# Altium PCB RevA2.PcbDoc (part 3 of 6) (continued)
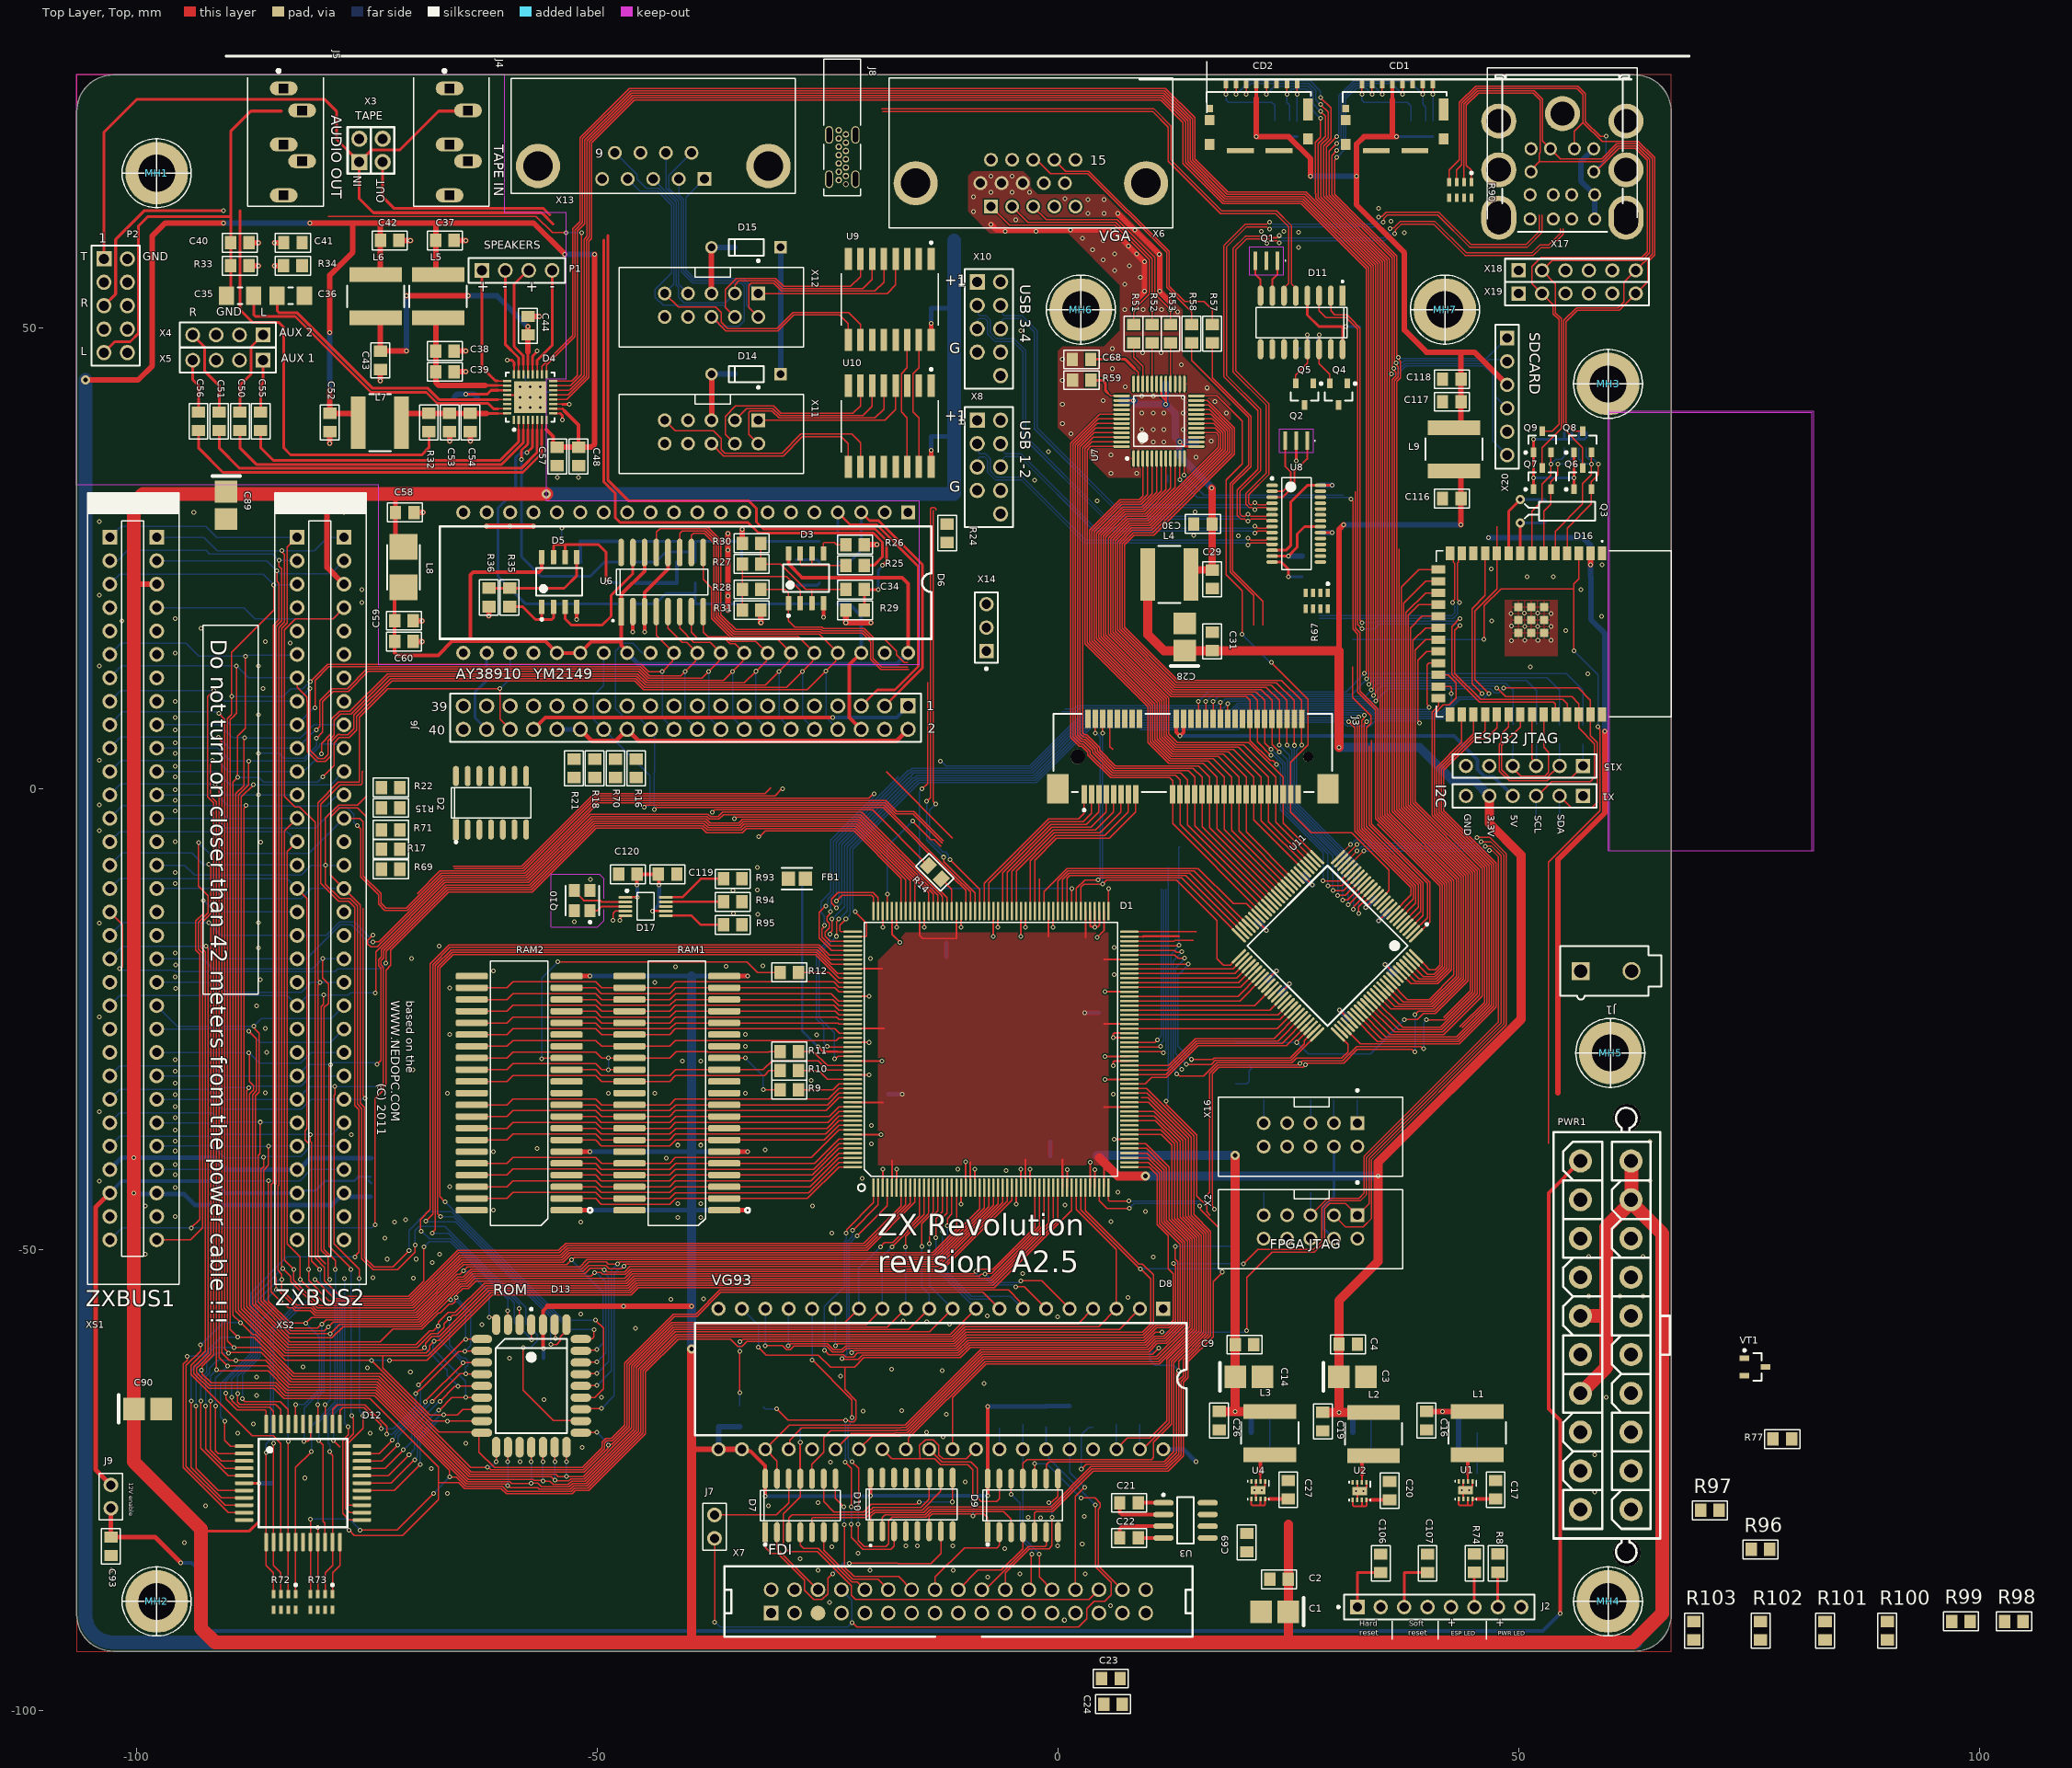
[diagram p0: Top Layer, Top view]
## Nets (pads, with @x,y where several pads share a name; then routed paths per layer and width w, separated by ;. In a path a pad name is that pad's centre, name@x,y a point inside that pad or via, vN(x,y) a via of type N, cw(c..) or ccw(c..) an arc to the next point about the centre after c; other vN are vias at no path point) (continued)
  Bottom Layer, Bottom w0.127: v1(-23.428,-61.82) -22.917,-61.309 -22.917,-49.185 -22.311,-48.58 -22.311,-47.921 v1(-22.273,-47.883) ; v1(12.73,-49.634) 12.747,-49.617 19.208,-49.617 ; 19.29,-30.213 20.756,-30.213 21.01,-29.959 25.989,-29.959 26.199,-29.75 v1(26.25,-29.75) ; v1(39.67,-28.172) 39.712,-28.13 39.712,-25.335 40.007,-25.04 v1(40.007,-25.022)
CSROM_1: D1.150 D2.5 R18.2 | length 21.4
  Top Layer, Top w0.127: v1(-32.456,-5.175) -32.368,-5.175 -31.749,-4.556 -22.122,-4.556 -17,-9.679 D1.150@-17,-13.25
  Bottom Layer, Bottom w0.127: v1(-32.456,-5.175) v1@-32.438,-5.157
CTS_TTL: D11.9
D0: D1.18 D6.37 D8.7 D12.9 D13.13 J6.8 U6.11 XS1.B6 XS2.B6 | length 359.1
  Top Layer, Top w0.127: v1(-93.025,-60.304) -93.025,-60.958 -94.583,-62.516 -94.583,-73.493 -90.376,-77.7 D12.9@-88.3,-77.7 ; v1(-88.16,14.41) -88.16,6.59 -89,5.75 v1(-89,1.25) -89.5,0.75 -89.5,-57.083 v1(-88.68,-57.905) v1(-88.68,-57.905) -87.385,-59.2 -87.067,-59.2 -82.867,-63.4 -73.514,-63.4 -67.134,-69.78 -62.88,-69.78 -62.8,-69.86 -62.8,-71.95 -61.143,-73.607 -51.613,-73.607 -49.464,-71.459 -49.464,-70.866 -49.044,-70.446 -48.451,-70.446 -47.024,-69.018 -47.024,-62.274 -41.713,-56.963 -39.284,-56.963 -36.683,-54.362 -5.324,-54.362 -4.067,-55.619 -4.067,-56.122 D8.7@-3.8,-56.39 ; v1(-79.75,1.325) -78.557,2.517 -78.557,5.006 -77.968,5.595 -76.89,5.595 -76.085,6.401 -76.085,7.892 -72.25,11.727 -45.917,11.727 -44.937,10.748 -27.21,10.748 v1(-25.167,12.79) -24.082,13.876 -24.082,14.548 D6.37@-23.87,14.76 -25.904,16.794 -35.158,16.794 -37.058,18.694 -37.058,26.785 -38.268,27.995 -40.751,27.995 -41.03,27.716 U6.11@-41.03,25.645 ; v1(-11.991,-47.374) -11.991,-46.627 -11.5,-46.135 D1.18@-11.5,-43.25
  Bottom Layer, Bottom w0.127: XS1.B6@-103.235,14.215 XS1.B6@-102.86,14.59 -101.624,15.826 -94.613,15.826 -93.196,14.41 -88.364,14.41 v1@-88.16,14.614 ; v1(-93.025,-60.304) -92.946,-60.304 -90.547,-57.905 v1(-88.68,-57.905) ; v1(-89,1.25) -86.65,1.25 -86.149,0.75 -80.325,0.75 v1(-79.75,1.325) ; v1(-88.16,14.41) v1@-88.16,14.614 ; XS2.B6@-82.513,14.614 -82.631,14.496 -88.042,14.496 v1@-88.16,14.614 ; v1(-25.167,12.79) -25.165,12.788 -25.165,7.755 J6.8@-23.87,6.46 ; v1(-11.991,-47.374) -11.991,-52.43 -9.368,-55.053 -5.147,-55.053 -3.9,-56.3 D8.7@-3.8,-56.3
D1: D1.17 D6.36 D8.8 D12.10 D13.14 J6.10 U6.10 XS1.B7 XS2.B7 | length 347.7
  Top Layer, Top w0.127: v1(-94.468,-61.535) -94.468,-61.977 -94.883,-62.391 -94.883,-73.617 -90,-78.5 D12.10@-88.3,-78.5 ; v1(-89.119,13.342) -89.119,8.212 -89.355,7.975 -89.355,7.948 -89.8,7.504 -89.8,-58.651 -88.952,-59.5 -87.191,-59.5 -82.991,-63.7 -73.638,-63.7 -63.712,-73.626 -61.988,-73.626 -61.988,-73.676 -61.694,-73.676 -61.51,-73.861 -51.508,-73.861 -49.21,-71.564 -49.21,-70.971 -48.939,-70.7 -48.346,-70.7 -46.77,-69.123 -46.77,-62.379 -41.608,-57.217 -39.179,-57.217 -36.578,-54.616 -8.113,-54.616 -6.504,-56.226 D8.8@-6.504,-56.363 ; XS2.B7@-82.54,12.05 -82.54,11.031 -81.465,9.956 -81.465,9.506 -81.447,9.488 -81.447,4.051 -80.362,2.966 -79.489,2.966 -78.857,3.597 -78.857,5.13 -78.079,5.908 -77.918,5.908 -77.905,5.895 -77.015,5.895 -76.385,6.525 -76.385,8.017 -72.42,11.981 -45.811,11.981 -44.832,11.002 -29.448,11.002 v1(-27.703,12.746) -26.589,13.861 -26.589,14.581 D6.36@-26.41,14.76 -28.19,16.54 -35.263,16.54 -37.312,18.589 -37.312,26.68 -38.373,27.741 -39.534,27.741 -39.76,27.515 U6.10@-39.76,25.645 ; v1@-61.963,-73.651 v1(-61.902,-73.59) ; v1(-60.94,-72.99) -60.94,-71.842 D13.14@-60.91,-71.812 ; v1(-12.529,-47.98) -12.529,-46.529 -12,-46 D1.17@-12,-43.25
  Bottom Layer, Bottom w0.127: XS1.B7@-103.235,11.675 XS1.B7@-102.86,12.05 -101.568,13.342 v1(-89.119,13.342) -87.827,12.05 -82.65,12.05 XS2.B7@-82.6,12 ; v1(-94.468,-61.535) -94.44,-61.507 -92.845,-61.507 -90.81,-59.472 v1(-88.979,-59.472) ; v1(-61.902,-73.59) -61.816,-73.504 -61.454,-73.504 v1(-60.94,-72.99) ; v1(-27.703,12.746) -27.698,12.741 -27.698,7.748 J6.10@-26.41,6.46 ; v1(-12.529,-47.98) -12.529,-52.317 -9.493,-55.353 -7.347,-55.353 D8.8@-6.4,-56.3
D2: D1.16 D6.35 D8.9 D12.7 D13.15 J6.12 U6.9 XS1.B8 XS2.B8 | length 327.9
  Top Layer, Top w0.127: v1(-93.505,-66.934) -93.505,-73.722 -91.127,-76.1 D12.7@-88.3,-76.1 ; v1@-92.931,-63.052 -92.846,-62.967 -92.846,-62.649 -91.6,-61.403 -91.6,-1.511 -92.25,-0.861 -92.25,10.005 v1(-91.564,10.691) ; v1(-92.913,-63.07) -92.857,-63.126 -92.857,-63.457 -91.876,-64.438 -84.798,-64.438 -83.737,-65.5 -74.058,-65.5 -64.173,-75.385 -59.946,-75.385 v1@-59.736,-75.595 ; v1(-81.134,10.873) -81.147,10.861 -81.147,4.175 -80.238,3.266 -79.613,3.266 -79.157,3.722 -79.157,5.254 -78.557,5.854 -78.557,7.406 -77.828,8.135 -76.69,8.135 -72.59,12.235 -45.706,12.235 -44.726,11.256 -31.731,11.256 v1(-30.239,12.748) -29.126,13.861 -29.126,14.584 D6.35@-28.95,14.76 -30.476,16.286 -35.368,16.286 -37.566,18.484 -37.566,21.816 -38.49,22.74 U6.9@-38.49,25.645 ; v1(-59.685,-75.595) -59.634,-75.595 -59.424,-75.804 -56.446,-75.804 -56.288,-75.962 -52.911,-75.962 -52.544,-75.595 -51.086,-75.595 -45.246,-69.755 -45.246,-63.01 -41.395,-59.159 -11.649,-59.159 -9.953,-57.463 D8.9@-8.89,-56.4 ; v1(-59.679,-72.99) -59.674,-72.986 -59.674,-71.786 D13.15@-59.67,-71.782 ; v1(-13.236,-48.701) -13.236,-46.614 -12.5,-45.878 D1.16@-12.5,-43.25
  Bottom Layer, Bottom w0.127: XS1.B8@-103.235,9.135 XS1.B8@-102.86,9.51 -101.679,10.691 v1(-91.564,10.691) -90.383,9.51 -82.61,9.51 XS2.B8@-82.6,9.5 ; v1(-93.505,-66.934) -93.505,-63.663 v1(-92.913,-63.07) ; XS2.B8@-82.54,9.51 -81.177,10.873 v1(-81.134,10.873) ; v1(-59.685,-75.595) -59.679,-75.589 v1(-59.679,-72.99) ; v1(-30.239,12.748) -30.25,12.737 -30.25,7.76 J6.12@-28.95,6.46 ; v1(-13.236,-48.701) -13.236,-52.034 -8.9,-56.37 D8.9@-8.9,-56.4
D3: D1.15 D6.34 D8.10 D12.3 D13.17 J6.14 U6.8 XS1.B11 XS2.B11 | length 292.8
  Top Layer, Top w0.127: v1(-91.93,-66.399) -91.93,-71.721 -90.752,-72.9 D12.3@-88.3,-72.9 ; v1(-91.725,3.103) -91.725,3.015 -91.95,2.79 -91.95,-0.737 -91.3,-1.387 v1(-91.3,-63) -91.178,-63 -91.036,-63.142 -85.67,-63.142 -83.612,-65.2 -73.999,-65.2 -64.068,-75.131 -59.493,-75.131 -59.284,-75.341 v1(-57.141,-75.341) ; v1(-79.887,3.791) -79.887,4.948 -78.857,5.979 -78.857,7.53 -77.952,8.435 -76.815,8.435 -72.761,12.489 -45.601,12.489 -44.621,11.51 -34.005,11.51 v1(-32.75,12.765) -31.654,13.861 -31.654,14.596 D6.34@-31.49,14.76 -32.762,16.032 -35.473,16.032 -35.941,16.5 -37.977,16.5 -38.49,17.013 U6.8@-38.49,19.245 ; v1@-57.141,-75.32 -56.429,-75.32 -56.042,-75.708 -53.016,-75.708 -52.649,-75.341 -51.191,-75.341 -45.5,-69.649 -45.5,-62.905 -41.5,-58.905 -13.935,-58.905 D8.10@-11.42,-56.39 ; v1(-57.13,-72.99) D13.17@-57.13,-71.782 ; v1(-13.929,-49.34) -13.929,-46.693 -13,-45.764 D1.15@-13,-43.25
  Bottom Layer, Bottom w0.127: XS1.B11@-103.235,1.515 XS1.B11@-102.86,1.89 -101.648,3.103 v1(-91.725,3.103) -91.217,3.103 -90.005,1.89 -82.61,1.89 XS2.B11@-82.6,1.9 ; v1(-91.93,-66.399) -91.93,-63.679 -91.3,-63.048 v1(-91.3,-63) ; XS2.B11@-82.54,1.89 -82.354,2.076 -81.603,2.076 v1(-79.887,3.791) ; v1(-57.141,-75.341) -57.13,-75.329 v1(-57.13,-72.99) ; v1(-32.75,12.765) -32.769,12.746 -32.769,7.739 J6.14@-31.49,6.46 ; v1(-13.929,-49.34) -13.929,-53.881 D8.10@-11.42,-56.39
D4: D1.14 D6.33 D8.11 D12.2 D13.18 J6.16 U6.7 XS1.B12 XS2.B12 | length 290.6
  Top Layer, Top w0.127: v1(-91.425,0.54) -91.425,0.442 -91,0.017 -91,-61.7 v1(-90.1,-62.6) -85.788,-62.6 -83.488,-64.9 -73.94,-64.9 -63.963,-74.877 -56.949,-74.877 -56.813,-75.014 -56.13,-75.014 -56.129,-75.015 -55.941,-75.015 v1(-55.869,-75.087) -55.124,-75.087 -54.757,-75.454 -53.121,-75.454 -52.754,-75.087 -51.296,-75.087 -45.754,-69.544 -45.754,-62.8 -41.605,-58.651 -16.221,-58.651 D8.11@-13.96,-56.39 ; v1(-91.4,-66.929) -91.4,-71.827 -91.127,-72.1 D12.2@-88.3,-72.1 ; v1(-86.75,-0.65) v1(-86.75,3.865) ; v1(-80.45,5.5) -79.758,6.192 -79.758,9.466 -78.638,10.585 -76.98,10.585 -74.822,12.743 -45.496,12.743 -44.516,11.764 -36.283,11.764 v1(-35.29,12.756) -34.185,13.861 -34.185,14.605 D6.33@-34.03,14.76 -35.048,15.778 -35.579,15.778 -36.001,16.2 -38.958,16.2 -39.76,17.002 U6.7@-39.76,19.245 ; v1(-55.86,-72.981) D13.18@-55.86,-71.782 ; v1(-14.75,-49.639) -14.75,-47.154 -13.5,-45.904 D1.14@-13.5,-43.25
  Bottom Layer, Bottom w0.127: XS1.B12@-103.235,-1.025 XS1.B12@-102.86,-0.65 -101.67,0.54 v1(-91.425,0.54) -90.235,-0.65 v1(-86.75,-0.65) -82.65,-0.65 XS2.B12@-82.6,-0.7 ; v1(-91.4,-66.929) -91.4,-63.913 -90.1,-62.613 v1(-90.1,-62.6) ; v1(-86.75,3.865) -84.511,3.865 -84.002,3.355 -81.79,3.355 -80.45,4.695 v1(-80.45,5.5) ; v1(-55.869,-75.087) -55.857,-75.074 -55.857,-72.984 v1(-55.86,-72.981) ; v1(-35.29,12.756) -35.293,12.753 -35.293,7.723 J6.16@-34.03,6.46 ; v1(-14.75,-49.639) -14.75,-54 -13.96,-54.79 D8.11@-13.96,-56.39
D5: D1.13 D6.32 D8.12 D12.4 D13.19 J6.18 U6.6 XS1.B10 XS2.B10 | length 282
  Top Layer, Top w0.127: v1(-92.455,-66.934) -92.455,-71.621 -90.376,-73.7 D12.4@-88.3,-73.7 ; v1(-91.086,5.608) -91.086,5.531 -90.7,5.145 -90.7,-61.195 -89.896,-62 v1(-89.183,-62) -85.964,-62 -83.364,-64.6 -73.881,-64.6 -63.857,-74.623 -54.969,-74.623 v1@-54.602,-74.99 ; v1(-80.45,6.405) -80.071,6.783 -80.071,9.577 -78.763,10.885 -77.105,10.885 -74.993,12.997 -45.39,12.997 -44.411,12.018 -38.61,12.018 v1(-37.895,12.733) -36.767,13.861 -36.767,14.563 D6.32@-36.57,14.76 -36.57,14.774 -37.696,15.9 -39.494,15.9 -41.03,17.436 U6.6@-41.03,19.245 ; D13.19@-54.592,-71.774 -54.577,-71.789 -54.577,-72.978 v1(-54.565,-72.99) ; v1(-54.565,-74.99) -54.513,-75.042 -53.069,-75.042 -52.859,-74.833 -51.402,-74.833 -46.008,-69.439 -46.008,-62.695 -41.71,-58.397 -18.507,-58.397 D8.12@-16.5,-56.39 ; v1(-16.528,-49.678) -16.528,-48.569 -14,-46.04 D1.13@-14,-43.25
  Bottom Layer, Bottom w0.127: XS1.B10@-103.235,4.055 XS1.B10@-102.86,4.43 -101.682,5.608 v1(-91.086,5.608) -89.908,4.43 XS2.B10@-82.54,4.43 -82.262,4.708 -82.204,4.708 -80.508,6.405 v1(-80.45,6.405) ; v1(-92.455,-66.934) -92.455,-63.779 -92.05,-63.374 -92.05,-62.829 -91.22,-62 v1(-89.183,-62) ; v1(-54.565,-74.99) v1(-54.565,-72.99) ; v1(-37.895,12.733) -37.884,12.722 -37.884,7.774 J6.18@-36.57,6.46 ; v1(-16.528,-49.678) -16.514,-49.692 -16.514,-56.085 D8.12@-16.5,-56.1
D6: D1.12 D6.31 D8.13 D12.5 D13.20 J6.20 U6.5 XS1.B9 XS2.B9 | length 278.8
  Top Layer, Top w0.127: v1(-92.98,-66.399) -92.98,-71.52 -90,-74.5 D12.5@-88.3,-74.5 ; v1(-91.054,8.203) -90.4,7.549 -90.4,-60.753 v1(-89.972,-61.181) -89.916,-61.125 -86.414,-61.125 -83.239,-64.3 -73.822,-64.3 -63.752,-74.369 -54.443,-74.369 -54.234,-74.579 -53.48,-74.579 -53.426,-74.525 v1@-53.426,-74.46 ; v1(-80.622,8.798) -80.602,8.818 -80.602,11.789 -79.139,13.251 -45.285,13.251 -44.305,12.272 -40.922,12.272 v1(-40.438,12.756) -39.32,13.874 -39.32,14.55 D6.31@-39.11,14.76 -40.25,15.9 -40.764,15.9 -42.3,17.436 U6.5@-42.3,19.245 ; v1(-53.322,-72.99) -53.321,-72.989 -53.321,-71.845 D13.20@-53.322,-71.844 ; D8.13@-19.04,-56.39 -20.793,-58.143 -41.816,-58.143 -46.262,-62.589 -46.262,-69.334 -51.507,-74.579 v1(-53.307,-74.579) ; v1(-18,-49.681) -14.5,-46.181 D1.12@-14.5,-43.25 ; v1@-53.426,-74.46 v1(-53.307,-74.579) ; v1@-53.426,-74.46 v1(-53.307,-74.579)
  Bottom Layer, Bottom w0.127: XS1.B9@-103.235,6.595 XS1.B9@-102.86,6.97 -101.468,8.363 -91.335,8.363 -91.176,8.203 v1(-91.054,8.203) -89.821,6.97 -82.63,6.97 XS2.B9@-82.6,7 ; v1(-92.98,-66.399) -92.98,-63.88 -92.35,-63.25 -92.35,-62.25 -91.281,-61.181 v1(-89.972,-61.181) ; XS2.B9@-82.54,6.97 -80.712,8.798 v1(-80.622,8.798) ; v1(-53.322,-72.99) -53.322,-74.564 v1(-53.307,-74.579) ; v1(-40.438,12.756) -40.439,12.755 -40.439,7.789 J6.20@-39.11,6.46 ; D6.31@-39.11,14.76 D6.31@-39.007,14.76 ; D8.13@-19.04,-56.39 -19.04,-50.721 v1(-18,-49.681)
D7: D1.11 D6.30 D8.14 D12.8 D13.21 J6.22 U6.4 XS1.B3 XS2.B3 | length 297.9
  Top Layer, Top w0.127: v1(-94.03,-66.399) -94.03,-73.621 -90.752,-76.9 D12.8@-88.3,-76.9 ; v1(-85.09,22.142) -85.09,19.387 -89.644,14.833 -89.644,10.149 -89.587,10.092 v1(-89.644,10.035) -89.655,10.024 -89.655,8.073 -90.1,7.628 -90.1,-59.9 v1(-89.4,-60.6) -86.515,-60.6 -83.115,-64 -73.762,-64 -63.647,-74.115 -51.402,-74.115 -48.783,-71.496 -48.783,-71.2 -48.71,-71.127 -48.414,-71.127 -46.516,-69.228 -46.516,-62.484 -41.921,-57.889 -23.079,-57.889 D8.14@-21.58,-56.39 ; v1(-81.127,11.623) -79.245,13.505 -45.18,13.505 -44.397,12.722 -42.953,12.722 v1(-42.925,12.75) ; D13.21@-51.4,-69.795 -51.37,-69.825 -50.015,-69.825 v1(-50,-69.809) ; U6.4@-43.57,19.245 -43.57,16.68 D6.30@-41.65,14.76 -41.786,14.624 -41.786,13.861 v1@-42.925,12.722 ; v1(-19.25,-49.681) -18.787,-49.218 -17.896,-49.218 -15,-46.322 D1.11@-15,-43.25
  Bottom Layer, Bottom w0.127: XS1.B3@-103.037,22.033 -101.785,23.285 -86.233,23.285 v1(-85.09,22.142) -85.084,22.137 -84.433,22.137 -84.427,22.142 -82.608,22.142 XS2.B3@-82.54,22.21 ; v1(-94.03,-66.399) -94.03,-63.117 -91.513,-60.6 v1(-89.4,-60.6) ; v1(-89.644,10.035) -84.055,10.035 -83.24,10.85 -81.9,10.85 v1(-81.127,11.623) ; v1(-50,-69.809) -50,-69.822 -48.747,-71.076 v1(-48.747,-71.163) ; v1(-42.925,12.75) -42.932,12.743 -42.932,7.742 J6.22@-41.65,6.46 ; D6.30@-41.65,14.76 D6.30@-41.29,14.76 ; D8.14@-21.6,-56.3 -21.58,-56.28 -21.58,-52.011 v1(-19.25,-49.681)
D\I\R\_6: D9.4 X7.18 | length 10.7
  Top Layer, Top w0.127: X7.18@-10.785,-86.87 -8.665,-84.75 -6.127,-84.75 -3.8,-82.423 D9.4@-3.8,-80.52
D\O\S\_1: D1.160 D13.3 XS1.A4 XS2.A4 | length 207.7
  Top Layer, Top w0.127: XS2.A4@-77.5,19.6 -77.53,19.6 -78.655,18.475 -82.716,18.475 -83.915,17.276 -83.915,-0.795 -82.751,-1.959 -82.25,-1.959 -80.6,-3.609 -80.6,-50.857 -79.575,-51.882 -79.575,-53.367 -77.899,-55.043 -70.457,-55.043 -68.8,-53.386 v1(-68.8,-49.7) ; -69.509,-11.361 -67.035,-8.888 -66.218,-8.888 -65.059,-8.888 -57.956,-8.888 -50.068,-1 -20.505,-1 -20.03,-0.525 v1(-19.942,-0.525) ; v1(-59.693,-56.599) -59.681,-56.611 -59.681,-57.8 D13.3@-59.64,-57.842 ; v1(-25.325,-14.805) -25.411,-14.891 -25.411,-15.038 -25.571,-15.197 -25.571,-16.059 -24.829,-16.8 -24.629,-17 D1.160@-22.25,-17
  Bottom Layer, Bottom w0.127: XS1.A4@-97.78,19.67 -88.321,19.67 -87.118,18.467 -78.663,18.467 XS2.A4@-77.46,19.67 ; v1(-68.8,-49.7) -68.225,-49.125 -65.923,-49.125 -59.693,-55.354 v1(-59.693,-56.599) ; v1(-25.325,-14.805) -25.325,-13.781 -25.711,-13.395 -25.711,-12.247 -24.651,-11.187 -24.651,-5.552 -20.004,-0.905 -20.004,-0.587 v1(-19.942,-0.525)
D\S\0\_6: D7.4 X7.10 | length 10.4
  Top Layer, Top w0.127: D7.4@-27.94,-80.63 -27.94,-82.025 -27.57,-82.395 -26.015,-82.395 -22.36,-86.05 -21.765,-86.05 X7.10@-20.945,-86.87
D\S\1\_6: D7.6 X7.12 | length 10.8
  Top Layer, Top w0.127: D7.6@-25.39,-80.52 -25.4,-80.53 -25.4,-82.586 -22.236,-85.75 -19.525,-85.75 X7.12@-18.405,-86.87
D\S\2\_6: D7.8 X7.14 | length 18.3
  Top Layer, Top w0.127: D7.8@-24.13,-74.83 -24.13,-76.962 v1(-23.22,-77.872) ; v1(-23.159,-79.815) -23.134,-79.841 -23.134,-84.428 -22.111,-85.45 -17.285,-85.45 X7.14@-15.865,-86.87
  Bottom Layer, Bottom w0.127: v1(-23.22,-77.872) -23.19,-77.902 -23.19,-79.785 v1(-23.159,-79.815)
D\S\3\_6: D7.2 X7.6 | length 8.1
  Top Layer, Top w0.127: D7.2@-30.48,-80.63 -30.48,-82.415 X7.6@-26.025,-86.87
DAC_B0: J3.38 U7.16 U11.21 | length 75.2
  Top Layer, Top w0.127: U7.16@15.025,38.645 17.193,38.645 17.405,38.432 17.405,37.065 9.668,29.328 7.566,29.328 5.469,27.231 5.469,16.812 12.268,10.012 20.438,10.012 20.85,9.6 J3.38@20.85,7.6 20.874,7.576 20.874,5.236 23.033,3.076 23.355,3.076 23.737,2.694 v1(23.737,2.668) ; v1(28.768,-9.979) 30.642,-9.979 U11.21@31.809,-8.813
  Bottom Layer, Bottom w0.127: v1(23.737,2.668) 23.763,2.668 24.126,2.305 24.126,-2.236 28.768,-6.878 v1(28.768,-9.979)
DAC_B1: J3.40 U7.17 U11.20 | length 76.5
  Top Layer, Top w0.127: U7.17@15.025,39.145 17.052,39.145 17.659,38.537 17.659,36.96 9.773,29.074 7.672,29.074 5.723,27.125 5.723,16.917 12.374,10.266 20.984,10.266 21.65,9.6 J3.40@21.65,7.6 21.65,5.115 v1(23.122,3.643) ; v1(29.304,-10.504) 30.824,-10.504 U11.20@32.162,-9.166
  Bottom Layer, Bottom w0.127: v1(23.122,3.643) 23.158,3.606 23.455,3.606 24.38,2.681 24.38,-2.13 29.304,-7.054 v1(29.304,-10.504)
DAC_B2: J3.42 U7.18 U11.19 | length 77.6
  Top Layer, Top w0.127: U7.18@15.025,39.645 16.911,39.645 17.913,38.643 17.913,36.855 9.878,28.82 7.777,28.82 5.977,27.02 5.977,17.022 12.479,10.52 21.53,10.52 22.45,9.6 J3.42@22.45,7.6 22.45,4.97 v1(23.128,4.293) ; v1(29.839,-11.029) 31.006,-11.029 U11.19@32.516,-9.52
  Bottom Layer, Bottom w0.127: v1(23.128,4.293) 23.852,3.568 24.634,2.786 24.634,-2.025 29.839,-7.231 v1(29.839,-11.029)
DAC_B3: J3.44 U7.19 U11.18 | length 79
  Top Layer, Top w0.127: U7.19@15.025,40.145 16.77,40.145 18.167,38.748 18.167,36.75 9.984,28.566 7.882,28.566 6.231,26.915 6.231,17.127 12.584,10.774 22.076,10.774 23.25,9.6 J3.44@23.25,7.6 23.25,4.826 v1(24.044,4.031) ; v1(30.375,-11.554) 31.188,-11.554 U11.18@32.869,-9.873
  Bottom Layer, Bottom w0.127: v1(24.044,4.031) 24.888,3.188 24.888,-1.92 30.375,-7.407 v1(30.375,-11.554)
DAC_B4: J3.46 U7.20 U11.17 | length 80.3
  Top Layer, Top w0.127: U7.20@15.025,40.645 16.629,40.645 18.421,38.853 18.421,36.645 10.089,28.312 7.987,28.312 6.485,26.81 6.485,17.232 12.689,11.028 22.622,11.028 24.05,9.6 24.05,4.756 v1(24.044,4.75) ; v1(30.911,-12.079) 30.976,-12.014 31.436,-12.014 U11.17@33.223,-10.227
  Bottom Layer, Bottom w0.127: v1(24.044,4.75) 25.142,3.652 25.142,-1.815 30.911,-7.583 v1(30.911,-12.079)
DAC_B5: J3.48 U7.21 U11.16 | length 81.4
  Top Layer, Top w0.127: U7.21@15.025,41.145 16.489,41.145 18.675,38.958 18.675,36.539 10.194,28.058 8.092,28.058 6.739,26.705 6.739,17.338 12.795,11.282 23.168,11.282 24.85,9.6 J3.48@24.85,7.6 24.85,4.788 v1(24.888,4.75) ; v1(31.507,-12.534) 31.582,-12.534 33.536,-10.58 U11.16@33.576,-10.58
  Bottom Layer, Bottom w0.127: v1(24.888,4.75) 25.396,4.242 25.396,-1.71 31.507,-7.82 v1(31.507,-12.534)
DAC_B6: J3.50 U7.22 U11.15 | length 82.9
  Top Layer, Top w0.127: U7.22@15.025,41.645 16.348,41.645 18.764,39.229 18.929,39.063 18.929,36.434 10.299,27.804 8.198,27.804 6.993,26.599 6.993,17.443 12.9,11.536 23.714,11.536 25.65,9.6 25.65,4.736 v1(25.655,4.731) ; v1(32.063,-13.038) 32.149,-12.952 32.149,-12.715 U11.15@33.93,-10.934
  Bottom Layer, Bottom w0.127: v1(25.655,4.731) 25.65,4.727 25.65,-1.604 32.063,-8.017 v1(32.063,-13.038)
DAC_B7: J3.52 U7.23 U11.14 | length 84.8
  Top Layer, Top w0.127: U7.23@15.025,42.145 16.207,42.145 19.183,39.169 19.183,36.329 10.404,27.55 8.303,27.55 7.247,26.494 7.247,17.548 13.005,11.79 24.26,11.79 26.45,9.6 J3.52@26.45,7.6 26.45,4.743 v1(26.447,4.74) ; v1(32.643,-13.513) 32.643,-12.779 33.039,-12.384 33.188,-12.384 U11.14@34.284,-11.288
  Bottom Layer, Bottom w0.127: v1(26.447,4.74) 25.904,4.197 25.904,-1.499 32.643,-8.238 v1(32.643,-13.513)
DAC_CLK_1: D1.103 J3.49 U7.24 U11.12 | length 76
  Top Layer, Top w0.127: D1.103@7.75,-16 9.268,-16 ; U7.24@15.025,42.645 17.257,42.645 20,39.902 20,35.25 18.246,33.496 18.246,23.254 20,21.5 v1(20,16.775) ; v1(23.168,13.718) 27.15,9.736 27.15,4.784 25.25,2.884 J3.49@25.25,-0.6 25.25,-2.5 27.5,-4.75 31.891,-4.75 35.945,-8.804 35.945,-11.04 U11.12@34.991,-11.995
  Top Layer, Top w0.25: 9.269,-15.999 13.124,-15.999
  Bottom Layer, Bottom w0.127: v1(20,16.775) 22.912,13.863 22.922,13.863 23.067,13.718 v1(23.168,13.718)
DAC_G0: J3.33 U7.3 U11.35 | length 61.7
  Top Layer, Top w0.127: U7.3@9.225,35.845 9.225,31.759 8.826,31.36 6.725,31.36 3.437,28.072 3.437,15.97 10.266,9.141 10.266,5.222 12.213,3.275 16.86,3.275 18.85,1.285 J3.33@18.85,-0.6 18.85,-4.481 U11.35@24.95,-10.58
DAC_G1: J3.35 U7.4 U11.34 | length 61.7
  Top Layer, Top w0.127: U7.4@9.725,35.845 9.725,31.9 8.931,31.106 6.83,31.106 3.691,27.967 3.691,16.075 10.52,9.246 10.52,5.327 12.318,3.529 17.421,3.529 19.65,1.3 J3.35@19.65,-0.6 19.65,-4.574 U11.34@25.303,-10.227
DAC_G2: J3.37 U7.5 U11.33 | length 61.8
  Top Layer, Top w0.127: U7.5@10.225,35.845 10.225,32.04 9.037,30.852 6.935,30.852 3.945,27.862 3.945,16.18 10.774,9.351 10.774,5.432 12.424,3.783 17.967,3.783 20.45,1.3 J3.37@20.45,-0.6 20.45,-4.666 U11.33@25.657,-9.873
DAC_G3: J3.39 U7.6 U11.30 | length 61.4
  Top Layer, Top w0.127: U7.6@10.725,35.845 10.725,32.181 9.142,30.598 7.04,30.598 4.199,27.757 4.199,16.285 11.028,9.456 11.028,5.537 12.529,4.037 18.513,4.037 21.25,1.3 J3.39@21.25,-0.6 21.25,-3.345 U11.30@26.718,-8.813
DAC_G4: J3.41 U7.7 U11.29 | length 61.5
  Top Layer, Top w0.127: U7.7@11.225,35.845 11.225,32.322 9.247,30.344 7.146,30.344 4.453,27.651 4.453,16.391 11.282,9.561 11.282,5.643 12.634,4.291 19.059,4.291 22.05,1.3 J3.41@22.05,-0.6 22.05,-3.438 U11.29@27.071,-8.459
DAC_G5: J3.43 U7.8 U11.28 | length 61.5
  Top Layer, Top w0.127: U7.8@11.725,35.845 11.725,32.463 9.352,30.09 7.251,30.09 4.707,27.546 4.707,16.496 11.536,9.667 11.536,5.748 12.739,4.545 19.59,4.545 22.85,1.285 J3.43@22.85,-0.6 22.85,-3.531 U11.28@27.425,-8.106
DAC_G6: J3.45 U7.9 U11.27 | length 61.6
  Top Layer, Top w0.127: U7.9@12.225,35.845 12.225,32.603 9.457,29.836 7.356,29.836 4.961,27.441 4.961,16.601 11.79,9.772 11.79,5.853 12.845,4.799 20.136,4.799 23.65,1.285 J3.45@23.65,-0.6 23.65,-3.624 U11.27@27.778,-7.752
DAC_G7: J3.47 U7.10 U11.26 | length 61.6
  Top Layer, Top w0.127: U7.10@12.725,35.845 12.725,32.744 9.563,29.582 7.461,29.582 5.215,27.336 5.215,16.706 12.044,9.877 12.044,5.958 12.95,5.053 20.697,5.053 24.45,1.3 J3.47@24.45,-0.6 24.45,-3.717 U11.26@28.132,-7.398
DAC_R0: J3.17 U7.41 U11.43 | length 70.2
  Top Layer, Top w0.127: U7.41@6.925,40.645 4.529,40.645 1.405,37.521 1.405,5.56 2.351,4.614 2.611,4.614 3.264,3.961 3.264,3.701 5.731,1.234 12.111,1.234 12.45,0.895 J3.17@12.45,-0.6 12.45,-3.738 U11.43@22.121,-13.409
DAC_R1: J3.19 U7.42 U11.42 | length 69.7
  Top Layer, Top w0.127: U7.42@6.925,40.145 4.388,40.145 1.659,37.416 1.659,5.665 2.457,4.868 2.716,4.868 3.518,4.066 3.518,3.807 5.836,1.488 12.762,1.488 13.25,1 J3.19@13.25,-0.6 13.25,-3.83 U11.42@22.475,-13.055
DAC_R2: J3.21 U7.43 U11.41 | length 69.1
  Top Layer, Top w0.127: U7.43@6.925,39.645 4.247,39.645 1.913,37.311 1.913,5.77 2.562,5.122 2.822,5.122 3.772,4.172 3.772,3.912 5.941,1.742 13.308,1.742 14.05,1 J3.21@14.05,-0.6 14.05,-3.923 U11.41@22.828,-12.702
DAC_R3: J3.23 U7.44 U11.40 | length 68.7
  Top Layer, Top w0.127: U7.44@6.925,39.145 4.106,39.145 2.167,37.206 2.167,5.876 2.667,5.376 2.927,5.376 4.026,4.277 4.026,4.017 6.047,1.996 14.154,1.996 14.85,1.3 J3.23@14.85,-0.6 14.85,-4.016 U11.40@23.182,-12.348
DAC_R4: J3.25 U7.45 U11.39 | length 68.1
  Top Layer, Top w0.127: U7.45@6.925,38.645 3.966,38.645 2.421,37.1 2.421,5.981 2.772,5.63 3.032,5.63 4.28,4.382 4.28,4.122 6.152,2.25 14.685,2.25 15.65,1.285 J3.25@15.65,-0.6 15.65,-4.109 U11.39@23.536,-11.995
DAC_R5: J3.27 U7.46 U11.38 | length 67.6
  Top Layer, Top w0.127: U7.46@6.925,38.145 3.825,38.145 2.675,36.995 2.675,6.086 2.877,5.884 3.137,5.884 4.534,4.487 4.534,4.227 6.257,2.504 15.246,2.504 16.45,1.3 J3.27@16.45,-0.6 16.45,-4.202 U11.38@23.889,-11.641
DAC_R6: J3.29 U7.47 U11.37 | length 63.5
  Top Layer, Top w0.127: U7.47@6.925,37.645 3.684,37.645 2.929,36.89 2.929,15.759 9.758,8.93 9.758,5.011 12.003,2.767 15.768,2.767 17.25,1.285 J3.29@17.25,-0.6 17.25,-4.295 U11.37@24.243,-11.288
DAC_R7: J3.31 U7.48 U11.36 | length 62.9
  Top Layer, Top w0.127: U7.48@6.925,37.145 3.543,37.145 3.183,36.785 3.183,15.865 10.012,9.035 10.012,5.116 12.108,3.021 16.314,3.021 18.05,1.285 J3.31@18.05,-0.6 18.05,-4.388 U11.36@24.596,-10.934
DACDAT_1: D4.14 R78.1 | length 195.3
  Top Layer, Top w0.127: D4.14@-54.775,43.25 -53.018,43.25 -52.91,43.358 -51.404,44.865 -51.404,59.635 -51.09,59.948 -51.09,70.312 -46.164,75.238 11.364,75.238 14.103,72.5 14.103,68.034 18.129,64.008 26.61,64.008 33.967,56.651 33.967,11.583 33.758,11.374 v1(33.758,11.322)
  Bottom Layer, Bottom w0.127: v1@33.747,11.211 33.869,11.211 v1(33.758,11.322) 34.219,11.784 50.847,11.784 51.958,10.674 R78.1@51.958,6.968
DACDAT_12: D16.34 R78.2 X15.3 | length 8.2
  Top Layer, Top w0.127: D16.34@51.452,8.075 51.452,3.288 51.902,2.838 X15.3@51.902,2.5
  Bottom Layer, Bottom w0.127: X15.3@51.902,2.5 51.92,2.518 R78.2@51.92,4.968
DACLRC_1: D4.13 J3.26 R79.1 | length 217.2
  Top Layer, Top w0.127: D4.13@-54.75,42.75 -53.159,42.75 -52.656,43.253 -51.15,44.759 -51.15,59.53 -50.836,59.843 -50.836,70.207 -46.059,74.984 11.259,74.984 13.849,72.394 13.849,67.929 18.024,63.754 26.505,63.754 33.713,56.546 33.713,12.181 33.504,11.972 v1(33.504,11.921)
  Top Layer, Top w0.15: J3.26@16.05,7.6 v1(16.05,9.488)
  Bottom Layer, Bottom w0.127: v1(16.05,9.488) 16.851,10.289 31.909,10.289 33.504,11.883 v1(33.504,11.921) ; v1@33.558,11.938 33.618,11.938 33.764,12.084 53.087,12.084 54.46,10.711 R79.1@54.46,6.875
DACLRC_12: D16.33 R79.2 X15.2 | length 16.5
  Top Layer, Top w0.127: D16.33@50.182,8.075 50.182,6.75 48.172,4.74 48.172,2.063 49.109,1.126 53.003,1.126 54.377,2.5 X15.2@54.442,2.5
  Bottom Layer, Bottom w0.127: X15.2@54.442,2.5 54.46,2.518 R79.2@54.46,4.875